# Allegro board 6089-119-RevB_08.brd (continued)
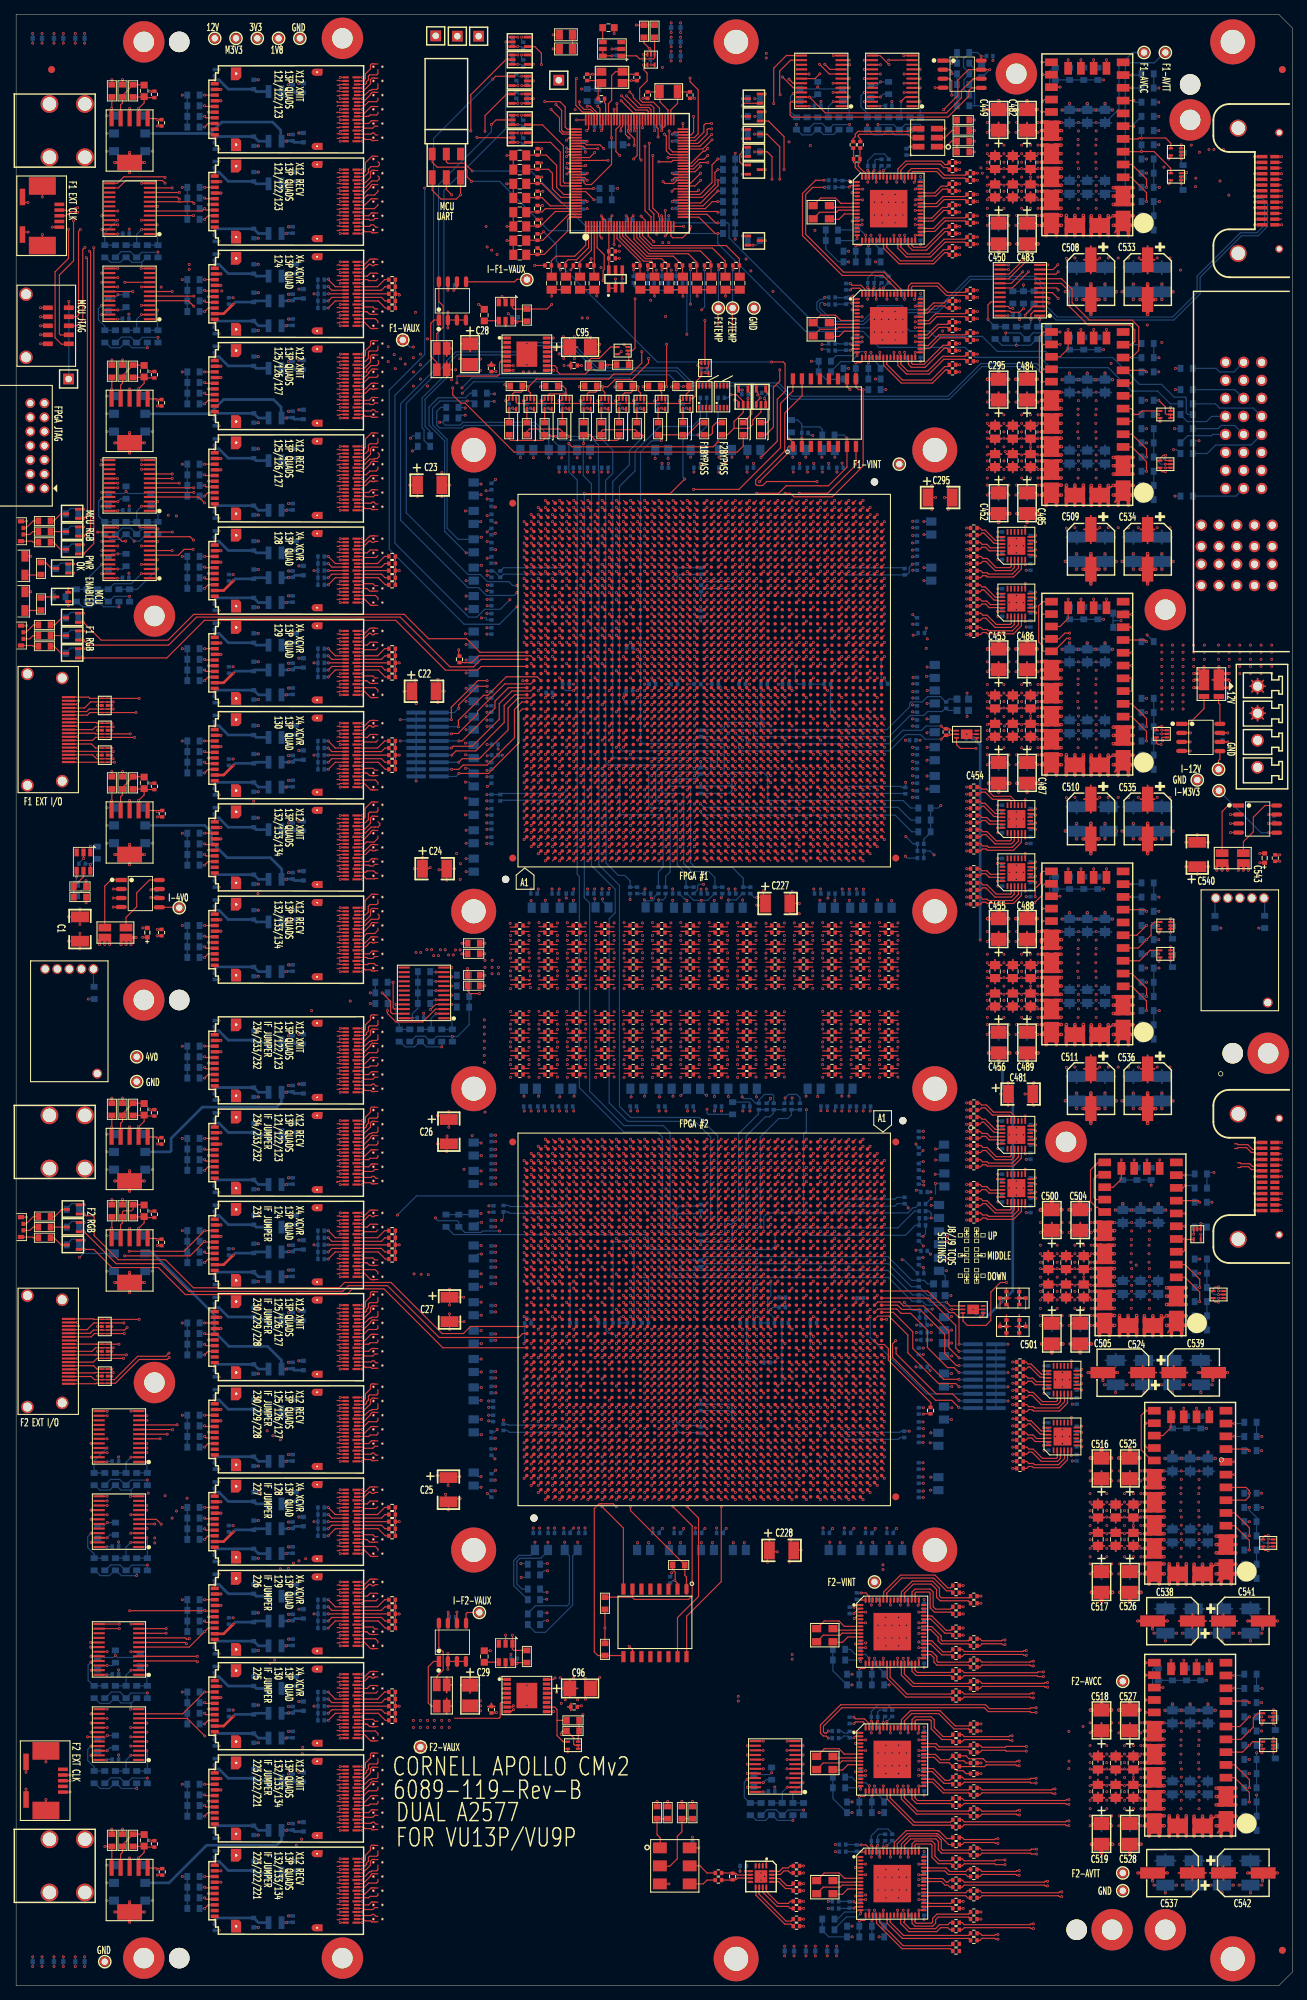
[diagram p0: board, top side]
## Routing (per net, layer and track width the routed paths; a pad name or vN(x,y) marks a point on that pad's centre or on a via; arc(x,y) is an arc through that point) (continued)
; U75.AA12 v1(91.61,169.51) ; U77.AB2 v1(101.39,118.29) ; U75.R38 v1(85.61,196.29) ; U75.AN20 v1(104.39,177.51) ; U77.AL36 v1(91.61,83.51) ; U77.BF42 v1(76.61,77.51) ; U75.K42 v1(80.61,200.29) ; U77.AC32 v1(100.39,87.51) ; U75.D5 v1(74.61,162.51) ; U75.AJ34 v1(100.39,192.29) ; U77.C35 v1(120.39,84.51) ; U75.H25 v1(78.61,182.51) ; U75.Y35 v1(90.61,193.29) ; U33.B4 v1(45.69,150.4) ; U75.AY46 v1(111.39,204.29) ; U77.N48 v1(110.39,71.51) ; U77.P47 v1(109.39,72.51) ; U75.BK31 v1(121.39,189.29) ; U75.AG16 v1(98.39,173.51) ; U37.A19 v1(48.81,86.9) ; U77.D20 v1(119.39,100.29) ; U77.AD37 v1(99.39,82.51) ; U77.AC26 v1(100.39,94.29) ; U77.B32 v1(121.39,87.51) ; U77.L8 v1(112.39,112.29) ; U77.D32 v1(119.39,87.51) ; U77.C21 v1(120.39,99.29) ; U75.BJ35 v1(120.39,193.29) ; U28.B10 v1(45.69,212.4) ; U75.R12 v1(85.61,169.51) ; U75.R34 v1(85.61,192.29) ; U77.AF39 v1(97.39,80.51) ; U24.B4 v1(45.69,267.4) ; U75.BG7 v1(118.39,164.51) ; U75.P7 v1(84.61,164.51) ; U77.AC4 v1(100.39,116.29) ; U75.A45 v1(71.61,203.29) ; U77.A35 v1(122.39,84.51) ; U77.BA49 v1(81.61,70.51) ; U75.U18 v1(87.61,175.51) ; U75.BD11 v1(115.39,168.51) ; U77.AH31 v1(94.61,88.51) ; U77.AE43 v1(98.39,76.51) ; U77.BJ31 v1(73.61,88.51) ; U75.BF6 v1(117.39,163.51) ; U75.BD41 v1(115.39,199.29) ; U75.E36 v1(75.61,194.29) ; U77.AD47 v1(99.39,72.51) ; U75.C7 v1(73.61,164.51) ; C135.2 C137.2 v1(90,238.08) ; U77.B46 v1(121.39,73.51) ; U75.BK3 v1(121.39,160.51) ; U75.AM11 v1(103.39,168.51) ; U77.AD50 v1(99.39,69.51) ; U75.AL14 v1(102.39,171.51) ; U38.B13 v1(45.69,76.9) ; U75.AF40 v1(97.39,198.29) ; U75.L5 v1(81.61,162.51) ; U75.BE35 v1(116.39,193.29) ; U77.BJ21 v1(73.61,99.29) ; U77.BD38 v1(78.61,81.51) ; U77.AP42 v1(88.61,77.51) ; U77.B6 v1(121.39,114.29) ; U75.AD15 v1(94.61,172.51) ; U75.AF23 v1(97.39,180.51) ; U75.AV15 v1(109.39,172.51) ; U77.BG7 v1(75.61,113.29) ; U75.BH25 v1(119.39,182.51) ; U75.BA47 v1(112.39,205.29) ; U77.BH46 v1(74.61,73.51) ; U77.AH11 v1(94.61,109.29) ; U77.AM25 v1(90.61,95.29) ; U75.A18 v1(71.61,175.51) ; U75.AN36 v1(104.39,194.29) ; U75.AM35 v1(103.39,193.29) ; U77.R14 v1(108.39,106.29) ; U33.A4 v1(48.81,150.4) ; U75.A36 v1(71.61,194.29) ; U75.BE40 v1(116.39,198.29) ; U75.AE28 v1(95.61,186.29) ; U77.AP2 v1(88.61,118.29) ; U77.W14 v1(104.39,106.29) ; U75.AF27 v1(97.39,185.29) ; U77.BH1 v1(74.61,119.29) ; U75.AN18 v1(104.39,175.51) ; U75.BH31 v1(119.39,189.29) ; U77.AM50 v1(90.61,69.51) ; U75.F2 v1(76.61,159.51) ; U75.AB25 v1(92.61,182.51) ; U77.Y41 v1(103.39,78.51) ; U77.AN26 v1(89.61,94.29) ; U40.B1 v1(45.69,56.9) ; U75.V5 v1(88.61,162.51) ; U80.3 v1(103.16,223.65) ; U75.AR28 v1(106.39,186.29) ; U75.BF50 v1(117.39,208.29) ; U75.AE48 v1(95.61,206.29) ; U77.T41 v1(107.39,78.51) ; U77.N49 v1(110.39,70.51) ; U39.B7 v1(45.69,66.9) ; U77.BH50 v1(74.61,69.51) ; U75.BB51 v1(113.39,209.29) ; U29.A1 v1(48.81,203.9) ; U77.AH40 v1(94.61,79.51) ; U28.A1 v1(48.81,216.9) ; U20.3 v1(16,121.01) ; U77.R5 v1(108.39,115.29) ; U75.BJ9 v1(120.39,166.51) ; U77.C49 v1(120.39,70.51) ; U77.D37 v1(119.39,82.51) ; U75.E4 v1(75.61,161.51) ; U77.BC38 v1(79.61,81.51) ; U34.B19 v1(45.69,125.9) ; U75.AU18 v1(108.39,175.51) ; U75.BG40 v1(118.39,198.29) ; U77.AN4 v1(89.61,116.29) ; U77.AP50 v1(88.61,69.51) ; U120.2 v1(165.55,176.53) ; U75.BG18 v1(118.39,175.51) ; U75.K51 v1(80.61,209.29) ; U75.AK50 v1(101.39,208.29) ; U77.BF7 v1(76.61,113.29) ; U75.AH17 v1(99.39,174.51) ; U75.AY41 v1(111.39,199.29) ; U77.AJ36 v1(93.61,83.51) ; J4.7 v1(3.44,232.63) ; Q15.2 v1(102.4,257.75) ; U77.BL7 v1(71.61,113.29) ; U77.J4 v1(114.39,116.29) ; U75.T41 v1(86.61,199.29) ; U77.AU24 v1(85.61,96.29) ; U77.BF10 v1(76.61,110.29) ; U77.BG18 v1(75.61,102.29) ; U77.J40 v1(114.39,79.51) ; v1(66.84,47.21) C31.2 ; U75.AF31 v1(97.39,189.29) ; U77.AA20 v1(102.39,100.29) ; U77.Y2 v1(103.39,118.29) ; U75.AK29 v1(101.39,187.29) ; U77.AP21 v1(88.61,99.29) ; U75.BJ2 v1(120.39,159.51) ; U75.AK45 v1(101.39,203.29) ; U77.H21 v1(115.39,99.29) ; U75.AC26 v1(93.61,184.29) ; U75.E43 v1(75.61,201.29) ; U75.AR3 v1(106.39,160.51) ; U77.AK51 v1(92.61,68.51) ; U25.B16 v1(45.69,248.4) ; R67.1 R66.1 R65.1 ; U75.AL44 v1(102.39,202.29) ; U77.C8 v1(120.39,112.29) ; U77.U38 v1(106.39,81.51) ; U75.H18 v1(78.61,175.51) ; U33.B1 v1(45.69,151.9) ; U75.BK33 v1(121.39,191.29) ; U77.BD27 v1(78.61,92.51) ; U75.AD25 v1(94.61,182.51) ; U75.W49 v1(89.61,207.29) ; U77.AJ48 v1(93.61,71.51) ; C19.2 v1(19.9,104.3) ; U75.A21 v1(71.61,178.51) ; U75.BH47 v1(119.39,205.29) ; U77.D51 v1(119.39,68.51) ; U120.4 v1(165.5,174) ; U75.AH39 v1(99.39,197.29) ; U77.AD29 v1(99.39,90.51) ; U75.L26 v1(81.61,184.29) ; U75.K50 v1(80.61,208.29) ; U78.1 97.6,228.12 97.43,227.95 96.45,227.95 v1(96.1,228.3) 96.1,228.52 96.27,228.69 U78.3 ; U77.AR49 v1(87.61,70.51) ; U75.AH37 v1(99.39,195.29) ; U75.AL4 v1(102.39,161.51) ; U77.BJ35 v1(73.61,84.51) ; U77.F45 v1(117.39,74.51) ; U75.AB50 v1(92.61,208.29) ; U77.P37 v1(109.39,82.51) ; U77.BG17 v1(75.61,103.29) ; C13.2 v1(18.89,109.15) ; U77.AJ49 v1(93.61,70.51) ; U75.Y15 v1(90.61,172.51) ; U77.J14 v1(114.39,106.29) ; U77.BB7 v1(80.61,113.29) ; U75.Y19 v1(90.61,176.51) ; U75.AM46 v1(103.39,204.29) ; U77.AJ34 v1(93.61,85.51) ; U77.AT6 v1(86.61,114.29) ; U75.D2 v1(74.61,159.51) ; U75.R44 v1(85.61,202.29) ; U77.AJ39 v1(93.61,80.51) ; U77.AG28 v1(95.61,91.51) ; U35.B4 v1(45.69,120.4) ; U75.H11 v1(78.61,168.51) ; U75.AY11 v1(111.39,168.51) ; U77.BG8 v1(75.61,112.29) ; U35.B13 v1(45.69,115.9) ; U77.AG24 v1(95.61,96.29) ; U35.A10 v1(48.81,117.4) ; P2.26 v1(174.58,248.12) ; R144.1 v1(135.07,258.4) ; U33.B13 v1(45.69,145.9) ; U75.BK38 v1(121.39,196.29) ; U30.B4 v1(45.69,189.4) ; U77.AB25 v1(101.39,95.29) ; U77.AH21 v1(94.61,99.29) ; U77.AN22 v1(89.61,98.29) ; U75.AP35 v1(105.39,193.29) ; U75.AW12 v1(110.39,169.51) ; U77.AD6 v1(99.39,114.29) ; U75.AE12 v1(95.61,169.51) ; R142.1 v1(135.07,261.4) ; U77.BD6 v1(78.61,114.29) ; U77.BD46 v1(78.61,73.51) ; U77.AG48 v1(95.61,71.51) ; U75.AR30 v1(106.39,188.29) ; U77.AU43 v1(85.61,76.51) ; U75.AH6 v1(99.39,163.51) ; C156.2 v1(95.64,265.95) ; U77.BE48 v1(77.61,71.51) ; U75.AM6 v1(103.39,163.51) ; U77.AV7 v1(84.61,113.29) ; U77.AT21 v1(86.61,99.29) ; U75.H2 v1(78.61,159.51) ; U77.K2 v1(113.39,118.29) ; U75.AJ43 v1(100.39,201.29) ; Q7.2 v1(9.5,190.9) ; P3.8 v1(174.58,116.42) ; U75.AN38 v1(104.39,196.29) ; U29.B16 v1(45.69,196.4) ; U77.AG5 v1(95.61,115.29) ; U77.AB1 v1(101.39,119.29) ; U77.V51 v1(105.39,68.51) ; U75.BL17 v1(122.39,174.51) ; U75.U5 v1(87.61,162.51) ; U77.K50 v1(113.39,69.51) ; U77.BL45 v1(71.61,74.51) ; R16.1 v1(13.5,171.07) ; U32.B7 v1(45.69,161.9) ; U26.B13 v1(45.69,236.9) ; U36.B1 v1(45.69,108.9) ; U75.AD40 v1(94.61,198.29) ; U77.AE36 v1(98.39,83.51) ; U77.H5 v1(115.39,115.29) ; U75.BG34 v1(118.39,192.29) ; U37.B4 v1(45.69,94.4) ; U77.AN28 v1(89.61,91.51) ; U75.BG12 v1(118.39,169.51) ; U77.AR47 v1(87.61,72.51) ; U77.AK1 v1(92.61,119.29) ; U77.AM46 v1(90.61,73.51) ; U77.AE16 v1(98.39,104.29) ; U77.H15 v1(115.39,105.29) ; P2.8 v1(174.58,255.32) ; U75.AH31 v1(99.39,189.29) ; U75.AE24 v1(95.61,181.51) ; U77.AY47 v1(82.61,72.51) ; U29.A16 v1(48.81,196.4) ; U75.AP25 v1(105.39,182.51) ; U77.AP1 v1(88.61,119.29) ; U77.AW44 v1(83.61,75.51) ; U77.BH36 v1(74.61,83.51) ; U77.AT5 v1(86.61,115.29) ; U75.AH27 v1(99.39,185.29) ; U77.R24 v1(108.39,96.29) ; U75.BH33 v1(119.39,191.29) ; U75.Y2 v1(90.61,159.51) ; U36.B16 v1(45.69,101.4) ; U75.G28 v1(77.61,186.29) ; U75.AF35 v1(97.39,193.29) ; U75.AH2 v1(99.39,159.51) ; U39.B16 v1(45.69,62.4) ; U26.B16 v1(45.69,235.4) ; U28.A7 v1(48.81,213.9) ; U77.AF21 v1(97.39,99.29) ; U77.AU49 v1(85.61,70.51) ; U53.3 v1(71.28,266.56) ; U16.3 v1(16,225.01) ; U24.A1 v1(48.81,268.9) ; U77.Y21 v1(103.39,99.29) ; U38.B10 v1(45.69,78.4) ; U77.AH25 v1(94.61,95.29) ; U75.AA47 v1(91.61,205.29) ; U75.AG22 v1(98.39,179.51) ; U77.AN5 v1(89.61,115.29) ; U77.AC28 v1(100.39,91.51) ; U40.A4 v1(48.81,55.4) ; U75.AB21 v1(92.61,178.51) ; U77.K47 v1(113.39,72.51) ; U25.B1 v1(45.69,255.9) ; U77.Y11 v1(103.39,109.29) ; U75.AN12 v1(104.39,169.51) ; U75.BK46 v1(121.39,204.29) ; U77.AN9 v1(89.61,111.29) ; U77.AM19 v1(90.61,101.29) ; U77.BK21 v1(72.61,99.29) ; U75.AE49 v1(95.61,207.29) ; U75.C31 v1(73.61,189.29) ; U77.AC24 v1(100.39,96.29) ; U75.BE33 v1(116.39,191.29) ; U75.AV38 v1(109.39,196.29) ; U75.BG16 v1(118.39,173.51) ; U75.BG45 v1(118.39,203.29) ; U77.B10 v1(121.39,110.29) ; U75.BJ31 v1(120.39,189.29) ; U75.A31 v1(71.61,189.29) ; U77.AB38 v1(101.39,81.51) ; J2.7 v1(3.7,246.75) ; U77.BH5 v1(74.61,115.29) ; U77.AP17 v1(88.61,103.29) ; U25.A7 v1(48.81,252.9) ; U115.3 v1(164.24,259.38) ; v1(70.1,39.45) 69.92,39.27 U57.7 ; U77.AV2 v1(84.61,118.29) ; U77.P50 v1(109.39,69.51) ; U75.AJ9 v1(100.39,166.51) ; Q13.2 v1(105.6,264.05) ; U77.AE18 v1(98.39,102.29) ; J6.17 v1(8.82,92.96) ; U75.AL38 v1(102.39,196.29) ; U77.AA16 v1(102.39,104.29) ; U77.Y5 v1(103.39,115.29) ; U75.AP38 v1(105.39,196.29) ; U75.BG21 v1(118.39,178.51) ; U75.AW38 v1(110.39,196.29) ; U77.AM35 v1(90.61,84.51) ; U77.AW40 v1(83.61,79.51) ; U75.AP10 v1(105.39,167.51) ; U77.BA14 v1(81.61,106.29) ; U75.A7 v1(71.61,164.51) ; Q1.2 v1(8.1,200.35) ; U77.BH33 v1(74.61,86.51) ; U75.AH35 v1(99.39,193.29) ; U26.A1 v1(48.81,242.9) ; U75.AB1 v1(92.61,158.51) ; U77.AN36 v1(89.61,83.51) ; U7.8 v1(13.5,89.4) ; U77.J47 v1(114.39,72.51) ; R17.1 v1(13.5,125.07) ; U75.AK23 v1(101.39,180.51) ; U77.BF50 v1(76.61,69.51) ; U77.BK10 v1(72.61,110.29) ; U75.BF19 v1(117.39,176.51) ; U77.AH35 v1(94.61,84.51) ; U125.3 v1(177.24,38.88) ; U77.AA30 v1(102.39,89.51) ; U39.A7 v1(48.81,66.9) ; U75.AR22 v1(106.39,179.51) ; U41.B4 v1(45.69,42.4) ; U75.BB50 v1(113.39,208.29) ; 152.65,199.6 v1(152.65,199.59) ; U29.A13 v1(48.81,197.9) ; U75.BF42 v1(117.39,200.29) ; U23.4 v1(13.69,152) ; U75.AD39 v1(94.61,197.29) ; U75.AV10 v1(109.39,167.51) ; U77.BJ3 v1(73.61,117.29) ; U75.T6 v1(86.61,163.51) ; U41.B16 v1(45.69,36.4) ; U75.AN26 v1(104.39,184.29) ; U37.B7 v1(45.69,92.9) ; U77.AV45 v1(84.61,74.51) ; R65.1 v1(54.01,52.4) ; U28.B19 v1(45.69,207.9) ; U37.A7 v1(48.81,92.9) ; 81.5,230.9 81.5,231.13 81.67,231.3 v1(82.25,231.3) ; 81.5,230.9 81.5,230.42 81.67,230.25 v1(82.25,230.25) ; 81.5,230.9 C95.2 v1(80.96,232.29) ; U77.AT46 v1(86.61,73.51) ; U75.AL12 v1(102.39,169.51) ; v1(68.25,43.4) 68.47,43.17 U57.1 ; U39.A16 v1(48.81,62.4) ; U75.BF16 v1(117.39,173.51) ; U75.BL31 v1(122.39,189.29) ; U77.AL8 v1(91.61,112.29) ; U77.AD5 v1(99.39,115.29) ; U77.U3 v1(106.39,117.29) ; U77.U14 v1(106.39,106.29) ; U75.AN32 v1(104.39,190.29) ; U75.AE3 v1(95.61,160.51) ; U77.AG34 v1(95.61,85.51) ; U77.AK17 v1(92.61,103.29) ; U77.BC12 v1(79.61,108.29) ; U75.BL7 v1(122.39,164.51) ; U75.J47 v1(79.61,205.29) ; U75.AK10 v1(101.39,167.51) ; U75.C3 v1(73.61,160.51) ; U75.AT11 v1(107.39,168.51) ; U77.BJ2 v1(73.61,118.29) ; U75.AG3 v1(98.39,160.51) ; U77.E35 v1(118.39,84.51) ; U34.B13 v1(45.69,128.9) ; U25.B13 v1(45.69,249.9) ; U75.Y38 v1(90.61,196.29) ; U77.AM51 v1(90.61,68.51) ; U75.E9 v1(75.61,166.51) ; U75.BA43 v1(112.39,201.29) ; U77.V10 v1(105.39,110.29) ; U77.Y15 v1(103.39,105.29) ; U43.A4 v1(48.81,16.4) ; U77.BE43 v1(77.61,76.51) ; U77.U18 v1(106.39,102.29) ; U75.N9 v1(83.61,166.51) ; U36.B7 v1(45.69,105.9) ; U77.BA9 v1(81.61,111.29) ; U77.BB42 v1(80.61,77.51) ; U75.AF10 v1(97.39,167.51) ; U75.AR12 v1(106.39,169.51) ; U77.AT47 v1(86.61,72.51) ; U75.AG30 v1(98.39,188.29) ; U77.AG12 v1(95.61,108.29) ; U75.AF50 v1(97.39,208.29) ; U75.AH21 v1(99.39,178.51) ; U75.AP50 v1(105.39,208.29) ; U75.BB2 v1(113.39,159.51) ; X1.4 85.85,268.45 v1(86.75,268.45) C134.2 ; U77.AB27 v1(101.39,92.51) ; U75.V10 v1(88.61,167.51) ; U77.B23 v1(121.39,97.29) ; U77.BE40 v1(77.61,79.51) ; U10.12 v1(16.12,68.97) ; 116.3,271.98 v1(115.2,271.98) ; R23.2 v1(15,171.07) ; U75.AD17 v1(94.61,174.51) ; U77.D33 v1(119.39,86.51) ; C11.2 v1(18.89,169.45) ; U75.W30 v1(89.61,188.29) ; U77.AY51 v1(82.61,68.51) ; U77.BK48 v1(72.61,71.51) ; U75.W20 v1(89.61,177.51) ; U77.E17 v1(118.39,103.29) ; U75.AJ5 v1(100.39,162.51) ; U77.AN20 v1(89.61,100.29) ; P3.1 v1(178.38,118.83) ; U75.V27 v1(88.61,185.29) ; U23.2 v1(13.69,154.53) ; U77.BL16 v1(71.61,104.29) ; U75.BG44 v1(118.39,202.29) ; U75.AJ32 v1(100.39,190.29) ; U77.AC18 v1(100.39,102.29) ; U42.A7 v1(48.81,27.9) ; U54.3 v1(70.72,262.24) ; U77.C3 v1(120.39,117.29) ; J3.7 v1(4.2,26.25) ; U75.AA49 v1(91.61,207.29) ; U77.AY6 v1(82.61,114.29) ; U75.BE14 v1(116.39,171.51) ; U75.AA34 v1(91.61,192.29) ; U75.Y33 v1(90.61,191.29) ; U77.P27 v1(109.39,92.51) ; U75.F21 v1(76.61,178.51) ; U75.AF19 v1(97.39,176.51) ; U75.AU28 v1(108.39,186.29) ; U77.AB5 v1(101.39,115.29) ; R22.2 v1(15,229.07) ; U38.A19 v1(48.81,73.9) ; U77.BF46 v1(76.61,73.51) ; U75.C35 v1(73.61,193.29) ; U75.AR5 v1(106.39,162.51) ; C117.2 v1(85.03,243.4) ; U77.AB23 v1(101.39,97.29) ; U77.D47 v1(119.39,72.51) ; U75.A43 v1(71.61,201.29) ; U75.BK19 v1(121.39,176.51) ; U75.U14 v1(87.61,171.51) ; U77.Y29 v1(103.39,90.51) ; U42.B19 v1(45.69,21.9) ; U75.A17 v1(71.61,174.51) ; U75.AF12 v1(97.39,169.51) ; U77.AA36 v1(102.39,83.51) ; U75.AK47 v1(101.39,205.29) ; U75.M11 v1(82.61,168.51) ; U30.B16 v1(45.69,183.4) ; U75.BD27 v1(115.39,185.29) ; U77.Y23 v1(103.39,97.29) ; U77.B7 v1(121.39,113.29) ; U28.B1 v1(45.69,216.9) ; U75.BB38 v1(113.39,196.29) ; U77.BA48 v1(81.61,71.51) ; U77.AC30 v1(100.39,89.51) ; U32.B19 v1(45.69,155.9) ; U77.BC49 v1(79.61,70.51) ; U77.AT41 v1(86.61,78.51) ; U77.AF12 v1(97.39,108.29) ; U75.AA43 v1(91.61,201.29) ; U34.A7 v1(48.81,131.9) ; U41.A7 v1(48.81,40.9) ; U75.AT46 v1(107.39,204.29) ; U77.G28 v1(116.39,91.51) ; U77.AR4 v1(87.61,116.29) ; U77.AH2 v1(94.61,118.29) ; U75.AJ30 v1(100.39,188.29) ; U77.H6 v1(115.39,114.29) ; U77.L38 v1(112.39,81.51) ; U77.BJ36 v1(73.61,83.51) ; U37.A16 v1(48.81,88.4) ; U77.G44 v1(116.39,75.51) ; U75.AL36 v1(102.39,194.29) ; U77.T21 v1(107.39,99.29) ; U75.AU24 v1(108.39,181.51) ; U77.G34 v1(116.39,85.51) ; U77.AN14 v1(89.61,106.29) ; U43.A16 v1(48.81,10.4) ; U75.Y37 v1(90.61,195.29) ; U75.AG26 v1(98.39,184.29) ; U77.H32 v1(115.39,87.51) ; U77.AC8 v1(100.39,112.29) ; U77.D46 v1(119.39,73.51) ; U77.F14 v1(117.39,106.29) ; U77.BB10 v1(80.61,110.29) ; U77.K42 v1(113.39,77.51) ; U32.B10 v1(45.69,160.4) ; U77.AT1 v1(86.61,119.29) ; U75.BE9 v1(116.39,166.51) ; U75.BJ21 v1(120.39,178.51) ; U77.E12 v1(118.39,108.29) ; U75.AA22 v1(91.61,179.51) ; U77.AP7 v1(88.61,113.29) ; U38.B1 v1(45.69,82.9) ; U77.BA16 v1(81.61,104.29) ; U77.AF2 v1(97.39,118.29) ; U77.V50 v1(105.39,69.51) ; 14.81,153.26 v1(13.69,153.26) ; U77.H35 v1(115.39,84.51) ; U77.G4 v1(116.39,116.29) ; U36.A16 v1(48.81,101.4) ; U75.K29 v1(80.61,187.29) ; J4.5 v1(3.44,233.9) ; U77.C45 v1(120.39,74.51) ; U77.BC40 v1(79.61,79.51) ; U75.B20 v1(72.61,177.51) ; U77.AL12 v1(91.61,108.29) ; U75.AP1 v1(105.39,158.51) ; U77.H25 v1(115.39,95.29) ; U29.B13 v1(45.69,197.9) ; U75.AT23 v1(107.39,180.51) ; U77.AC36 v1(100.39,83.51) ; R111.1 v1(91.85,25.97) ; U75.AW44 v1(110.39,202.29) ; U75.BE48 v1(116.39,206.29) ; U35.B7 v1(45.69,118.9) ; U77.H14 v1(115.39,106.29) ; U77.G48 v1(116.39,71.51) ; U75.C12 v1(73.61,169.51) ; U77.AA28 v1(102.39,91.51) ; U75.AB37 v1(92.61,195.29) ; U75.L38 v1(81.61,196.29) ; U75.BE3 v1(116.39,160.51) ; U77.AK29 v1(92.61,90.51) ; U75.AC28 v1(93.61,186.29) ; U38.A1 v1(48.81,82.9) ; U77.BC8 v1(79.61,112.29) ; U75.B21 v1(72.61,178.51) ; U31.B16 v1(45.69,170.4) ; U68.80 86.7,261.6 86.65,261.55 86.65,261.35 v1(86.62,261.35) ; U39.B19 v1(45.69,60.9) ; U77.AH46 v1(94.61,73.51) ; U77.AJ38 v1(93.61,81.51) ; U77.AR5 v1(87.61,115.29) ; U75.AD31 v1(94.61,189.29) ; U75.P47 v1(84.61,205.29) ; C20.2 v1(19.9,164.7) ; U75.AP29 v1(105.39,187.29) ; U77.AW5 v1(83.61,115.29) ; C18.2 v1(19.9,118.6) ; U75.N43 v1(83.61,201.29) ; U77.BA3 v1(81.61,117.29) ; U75.H21 v1(78.61,178.51) ; U75.AU4 v1(108.39,161.51) ; U75.V1 v1(88.61,158.51) ; U77.Y46 v1(103.39,73.51) ; U77.BK5 v1(72.61,115.29) ; U75.AA38 v1(91.61,196.29) ; U75.AT29 v1(107.39,187.29) ; U77.N4 v1(110.39,116.29) ; U77.Y38 v1(103.39,81.51) ; U77.C34 v1(120.39,85.51) ; U75.M47 v1(82.61,205.29) ; U77.B48 v1(121.39,71.51) ; U77.N47 v1(110.39,72.51) ; U75.BK45 v1(121.39,203.29) ; U75.BE16 v1(116.39,173.51) ; U102.12 v1(145.43,242.47) ; U75.Y29 v1(90.61,187.29) ; 172.31,163.76 v1(171.19,163.76) ; U37.B16 v1(45.69,88.4) ; U77.AJ43 v1(93.61,76.51) ; U75.H14 v1(78.61,171.51) ; U37.A13 v1(48.81,89.9) ; U77.AG16 v1(95.61,104.29) ; U77.BK14 v1(72.61,106.29) ; U77.BF19 v1(76.61,101.29) ; U77.AH6 v1(94.61,114.29) ; U123.4 v1(171.19,162.5) ; U75.AC47 v1(93.61,205.29) ; U75.AP37 v1(105.39,195.29) ; U77.AH15 v1(94.61,105.29) ; U75.BH2 v1(119.39,159.51) ; U41.A19 v1(48.81,34.9) ; U77.AY11 v1(82.61,109.29) ; U77.E24 v1(118.39,96.29) ; U77.BD51 v1(78.61,68.51) ; U75.BB33 v1(113.39,191.29) ; U75.AD29 v1(94.61,187.29) ; U75.AW3 v1(110.39,160.51) ; U42.B10 v1(45.69,26.4) ; U77.BF36 v1(76.61,83.51) ; U75.AC44 v1(93.61,202.29) ; U75.AM21 v1(103.39,178.51) ; U77.AL16 v1(91.61,104.29) ; U77.F1 v1(117.39,119.29) ; U75.AK7 v1(101.39,164.51) ; U77.AU5 v1(85.61,115.29) ; U75.BL36 v1(122.39,194.29) ; U75.R5 v1(85.61,162.51) ; U75.BL4 v1(122.39,161.51) ; U77.AT51 v1(86.61,68.51) ; U75.BF45 v1(117.39,203.29) ; U77.BJ9 v1(73.61,111.29) ; U75.E49 v1(75.61,207.29) ; U77.AN49 v1(89.61,70.51) ; U75.AP17 v1(105.39,174.51) ; U77.AR8 v1(87.61,112.29) ; U77.AR22 v1(87.61,98.29) ; U75.B49 v1(72.61,207.29) ; U77.AL28 v1(91.61,91.51) ; U35.B16 v1(45.69,114.4) ; U75.J48 v1(79.61,206.29) ; U75.V31 v1(88.61,189.29) ; U75.BH50 v1(119.39,208.29) ; U30.B13 v1(45.69,184.9) ; U27.B16 v1(45.69,222.4) ; U75.F42 v1(76.61,200.29) ; U77.BJ34 v1(73.61,85.51) ; Q12.2 v1(105.6,266.55) ; U75.BK29 v1(121.39,187.29) ; U75.AK27 v1(101.39,185.29) ; U17.12 v1(17.7,214.97) ; U75.AK5 v1(101.39,162.51) ; U43.A19 v1(48.81,8.9) ; v1(165,255.5) 165,255.4 U116.3 ; U75.BB42 v1(113.39,200.29) ; U77.D19 v1(119.39,101.29) ; U25.B7 v1(45.69,252.9) ; U77.BL21 v1(71.61,99.29) ; U37.B10 v1(45.69,91.4) ; U77.U49 v1(106.39,70.51) ; U28.B16 v1(45.69,209.4) ; U75.D6 v1(74.61,163.51) ; U75.AB7 v1(92.61,164.51) ; U75.E7 v1(75.61,164.51) ; U75.B36 v1(72.61,194.29) ; U77.BF31 v1(76.61,88.51) ; U75.AK17 v1(101.39,174.51) ; U77.U13 v1(106.39,107.29) ; U77.U48 v1(106.39,71.51) ; U75.M51 v1(82.61,209.29) ; U75.C40 v1(73.61,198.29) ; U77.AF15 v1(97.39,105.29) ; U77.BB38 v1(80.61,81.51) ; U77.T51 v1(107.39,68.51) ; U77.AK50 v1(92.61,69.51) ; U77.AG8 v1(95.61,112.29) ; J3.6 v1(4.2,31.55) ; U75.K47 v1(80.61,205.29) ; U77.AC22 v1(100.39,98.29) ; U56.9 75.75,227.62 75.75,227.63 v1(75.76,227.63) ; U77.A21 v1(122.39,99.29) ; U75.AN14 v1(104.39,171.51) ; U77.BH19 v1(74.61,101.29) ; U75.M23 v1(82.61,180.51) ; U75.D45 v1(74.61,203.29) ; U77.AG40 v1(95.61,79.51) ; U75.BE15 v1(116.39,172.51) ; U75.D33 v1(74.61,191.29) ; U75.E39 v1(75.61,197.29) ; U75.E48 v1(75.61,206.29) ; U75.W38 v1(89.61,196.29) ; U75.T46 v1(86.61,204.29) ; U77.D50 v1(119.39,69.51) ; U75.L4 v1(81.61,161.51) ; U75.BC40 v1(114.39,198.29) ; U43.B19 v1(45.69,8.9) ; U75.BH15 v1(119.39,172.51) ; U75.B47 v1(72.61,205.29) ; C14.2 v1(18.89,20.45) ; U75.AM27 v1(103.39,185.29) ; U75.U4 v1(87.61,161.51) ; U77.BF20 v1(76.61,100.29) ; U75.B32 v1(72.61,190.29) ; U75.AJ48 v1(100.39,206.29) ; U30.A13 v1(48.81,184.9) ; U75.P10 v1(84.61,167.51) ; U77.F50 v1(117.39,69.51) ; U77.BE9 v1(77.61,111.29) ; U75.AP5 v1(105.39,162.51) ; U75.E16 v1(75.61,173.51) ; U75.AP45 v1(105.39,203.29) ; U77.B3 v1(121.39,117.29) ; U77.AJ14 v1(93.61,106.29) ; U77.B21 v1(121.39,99.29) ; U77.BL34 v1(71.61,85.51) ; U75.J4 v1(79.61,161.51) ; R109.1 v1(95.35,25.97) ; U77.K10 v1(113.39,110.29) ; v1(84.5,240.5) U65.2 U65.1 ; U75.W14 v1(89.61,171.51) ; U31.B1 v1(45.69,177.9) ; U77.BJ45 v1(73.61,74.51) ; U77.BL40 v1(71.61,79.51) ; U75.AC18 v1(93.61,175.51) ; U77.M47 v1(111.39,72.51) ; U77.AK42 v1(92.61,77.51) ; U77.E21 v1(118.39,99.29) ; U77.AV50 v1(84.61,69.51) ; U75.AN5 v1(104.39,162.51) ; U77.AL30 v1(91.61,89.51) ; R77.2 v1(62.85,145.4) ; U31.A4 v1(48.81,176.4) ; U77.BF47 v1(76.61,72.51) ; U77.H31 v1(115.39,88.51) ; U75.G12 v1(77.61,169.51) ; U77.B49 v1(121.39,70.51) ; U75.AU39 v1(108.39,197.29) ; U75.AM15 v1(103.39,172.51) ; U77.P1 v1(109.39,119.29) ; U31.B4 v1(45.69,176.4) ; U75.G8 v1(77.61,165.51) ; U77.J49 v1(114.39,70.51) ; U75.D36 v1(74.61,194.29) ; U38.A7 v1(48.81,79.9) ; U75.T5 v1(86.61,162.51) ; U75.BF2 v1(117.39,159.51) ; U75.AA26 v1(91.61,184.29) ; U75.AM33 v1(103.39,191.29) ; J2.6 v1(3.7,252.05) ; U75.AT6 v1(107.39,163.51) ; U75.BG8 v1(118.39,165.51) ; U77.E43 v1(118.39,76.51) ; U77.N20 v1(110.39,100.29) ; U108.13 v1(153.7,157.38) ; U77.AK25 v1(92.61,95.29) ; U77.BB50 v1(80.61,69.51) ; U25.A16 v1(48.81,248.4) ; U75.H34 v1(78.61,192.29) ; U75.AG34 v1(98.39,192.29) ; U75.BK48 v1(121.39,206.29) ; U77.BH45 v1(74.61,74.51) ; U43.A7 v1(48.81,14.9) ; U75.AF5 v1(97.39,162.51) ; U75.AR49 v1(106.39,207.29) ; U77.Y25 v1(103.39,95.29) ; U77.H33 v1(115.39,86.51) ; v1(93.52,223.34) 93.83,223.34 94,223.51 U74.3 ; U77.AF45 v1(97.39,74.51) ; U75.L3 v1(81.61,160.51) ; U75.BA49 v1(112.39,207.29) ; U77.AK31 v1(92.61,88.51) ; U75.AY2 v1(111.39,159.51) ; U75.AM29 v1(103.39,187.29) ; U75.AF33 v1(97.39,191.29) ; U75.AD41 v1(94.61,199.29) ; U75.BC38 v1(114.39,196.29) ; U77.W36 v1(104.39,83.51) ; U77.AB42 v1(101.39,77.51) ; P2.19 v1(178.38,250.53) ; U77.BB1 v1(80.61,119.29) ; U75.AF39 v1(97.39,197.29) ; R21.2 v1(15,268.57) ; U77.BJ4 v1(73.61,116.29) ; U44.12 v1(61.4,143.47) ; U75.AL32 v1(102.39,190.29) ; U75.BL16 v1(122.39,173.51) ; U77.AR28 v1(87.61,91.51) ; U77.BL26 v1(71.61,94.29) ; U75.BG3 v1(118.39,160.51) ; U75.BK47 v1(121.39,205.29) ; U75.AB45 v1(92.61,203.29) ; U75.BA40 v1(112.39,198.29) ; U75.C21 v1(73.61,178.51) ; U75.N48 v1(83.61,206.29) ; U77.AE3 v1(98.39,117.29) ; J4.3 v1(3.44,235.17) ; U75.AN34 v1(104.39,192.29) ; U75.BD5 v1(115.39,162.51) ; U75.AC34 v1(93.61,192.29) ; U77.AD40 v1(99.39,79.51) ; U75.BF32 v1(117.39,190.29) ; U77.T11 v1(107.39,109.29) ; U77.BL48 v1(71.61,71.51) ; U33.A13 v1(48.81,145.9) ; U75.R47 v1(85.61,205.29) ; U37.A10 v1(48.81,91.4) ; U75.AJ38 v1(100.39,196.29) ; U75.U13 v1(87.61,170.51) ; U77.AF31 v1(97.39,88.51) ; U77.AH29 v1(94.61,90.51) ; U34.B7 v1(45.69,131.9) ; U34.B16 v1(45.69,127.4) ; U77.AE38 v1(98.39,81.51) ; U24.A13 v1(48.81,262.9) ; U43.B1 v1(45.69,17.9) ; U77.AF29 v1(97.39,90.51) ; U75.P42 v1(84.61,200.29) ; U37.A1 v1(48.81,95.9) ; U75.AY5 v1(111.39,162.51) ; U77.AL32 v1(91.61,87.51) ; U30.B19 v1(45.69,181.9) ; U75.AT47 v1(107.39,205.29) ; U77.J5 v1(114.39,115.29) ; U77.F42 v1(117.39,77.51) ; U77.AY1 v1(82.61,119.29) ; U75.V42 v1(88.61,200.29) ; U75.BK32 v1(121.39,190.29) ; U77.AK33 v1(92.61,86.51) ; U77.Y19 v1(103.39,101.29) ; U77.AD17 v1(99.39,103.29) ; U77.A9 v1(122.39,111.29) ; U94.5 v1(134,176.35) ; U75.AA18 v1(91.61,175.51) ; U77.AD23 v1(99.39,97.29) ; U112.3 162.15,214.9 162.12,214.93 162,214.93 162,215.11 v1(161.92,215.11) ; U77.AT2 v1(86.61,118.29) ; U77.B5 v1(121.39,115.29) ; U75.AA40 v1(91.61,198.29) ; U40.B7 v1(45.69,53.9) ; U77.AJ30 v1(93.61,89.51) ; J6.8 v1(8.66,88.38) ; U36.A1 v1(48.81,108.9) ; U75.BK21 v1(121.39,178.51) ; U77.M23 v1(111.39,97.29) ; U32.B4 v1(45.69,163.4) ; U77.BA43 v1(81.61,76.51) ; U75.D31 v1(74.61,189.29) ; U77.BK7 v1(72.61,113.29) ; U43.A1 v1(48.81,17.9) ; U24.B13 v1(45.69,262.9) ; U75.K2 v1(80.61,159.51) ; U75.G47 v1(77.61,205.29) ; U75.AM19 v1(103.39,176.51) ; U77.BJ16 v1(73.61,104.29) ; U75.AR4 v1(106.39,161.51) ; U77.AU26 v1(85.61,94.29) ; U77.AV35 v1(84.61,84.51) ; U77.AR14 v1(87.61,106.29) ; U39.A19 v1(48.81,60.9) ; U77.N3 v1(110.39,117.29) ; U75.T51 v1(86.61,209.29) ; U75.U43 v1(87.61,201.29) ; U75.BC12 v1(114.39,169.51) ; U75.H16 v1(78.61,173.51) ; U75.P45 v1(84.61,203.29) ; U75.AW8 v1(110.39,165.51) ; C8.2 v1(17.85,149.06) ; U77.E39 v1(118.39,80.51) ; U75.AK25 v1(101.39,182.51) ; U77.AB35 v1(101.39,84.51) ; U75.AM2 v1(103.39,159.51) ; U77.B45 v1(121.39,74.51) ; U25.B19 v1(45.69,246.9) ; U77.L4 v1(112.39,116.29) ; U75.BD1 v1(115.39,158.51) ; U75.P38 v1(84.61,196.29) ; U77.AJ9 v1(93.61,111.29) ; P3.14 v1(174.58,114.03) ; U26.A13 v1(48.81,236.9) ; U75.AB51 v1(92.61,209.29) ; U77.D11 v1(119.39,109.29) ; U32.A1 v1(48.81,164.9) ; U75.BJ34 v1(120.39,192.29) ; U24.A19 v1(48.81,259.9) ; U75.U47 v1(87.61,205.29) ; U77.R49 v1(108.39,70.51) ; U77.H17 v1(115.39,103.29) ; U77.AW3 v1(83.61,117.29) ; U38.A16 v1(48.81,75.4) ; U75.AR24 v1(106.39,181.51) ; U39.A4 v1(48.81,68.4) ; U75.B6 v1(72.61,163.51) ; U77.BK4 v1(72.61,116.29) ; U77.AE49 v1(98.39,70.51) ; U75.AE32 v1(95.61,190.29) ; U77.C17 v1(120.39,103.29) ; U75.AL22 v1(102.39,179.51) ; U77.R48 v1(108.39,71.51) ; U75.AB31 v1(92.61,189.29) ; U77.AW47 v1(83.61,72.51) ; U77.AM21 v1(90.61,99.29) ; U77.AL20 v1(91.61,100.29) ; U77.BE36 v1(77.61,83.51) ; U75.L36 v1(81.61,194.29) ; U75.D16 v1(74.61,173.51) ; U77.AD41 v1(99.39,78.51) ; U75.AR38 v1(106.39,196.29) ; U77.BK38 v1(72.61,81.51) ; U75.AG32 v1(98.39,190.29) ; U41.A13 v1(48.81,37.9) ; U77.D36 v1(119.39,83.51) ; U77.AA34 v1(102.39,85.51) ; U75.T38 v1(86.61,196.29) ; U75.AT2 v1(107.39,159.51) ; C15.2 v1(19.89,262.05) ; U75.AE38 v1(95.61,196.29) ; U75.W47 v1(89.61,205.29) ; U75.AA14 v1(91.61,171.51) ; U77.AA5 v1(102.39,115.29) ; U24.B1 v1(45.69,268.9) ; U75.BF33 v1(117.39,191.29) ; U75.F32 v1(76.61,190.29) ; U75.AG49 v1(98.39,207.29) ; U77.BE17 v1(77.61,103.29) ; U77.F6 v1(117.39,114.29) ; U75.AW47 v1(110.39,205.29) ; U75.BH1 v1(119.39,158.51) ; U77.AN40 v1(89.61,79.51) ; Q2.2 v1(7.35,196.88) ; U42.B1 v1(45.69,30.9) ; P2.25 v1(178.38,248.12) ; U77.T46 v1(107.39,73.51) ; R26.2 v1(15,22.07) ; U75.L12 v1(81.61,169.51) ; C12.2 v1(18.89,123.45) ; U75.BF10 v1(117.39,167.51) ; U77.BK47 v1(72.61,72.51) ; U75.T1 v1(86.61,158.51) ; U77.AH47 v1(94.61,72.51) ; U77.AR24 v1(87.61,96.29) ; U77.AR48 v1(87.61,71.51) ; U77.R4 v1(108.39,116.29) ; U77.BJ7 v1(73.61,113.29) ; U75.BF21 v1(117.39,178.51) ; U75.AV2 v1(109.39,159.51) ; U75.F36 v1(76.61,194.29) ; U75.AJ16 v1(100.39,173.51) ; Q9.2 v1(9.6,110.05) ; U75.AM25 v1(103.39,182.51) ; U75.AH1 v1(99.39,158.51) ; U77.AM23 v1(90.61,97.29) ; U77.BE37 v1(77.61,82.51) ; U75.AG44 v1(98.39,202.29) ; U75.AE26 v1(95.61,184.29) ; U75.AV42 v1(109.39,200.29) ; U75.E21 v1(75.61,178.51) ; U75.AF51 v1(97.39,209.29) ; U77.B19 v1(121.39,101.29) ; U75.J22 v1(79.61,179.51) ; U75.AD2 v1(94.61,159.51) ; U75.AE18 v1(95.61,175.51) ; U75.AV1 v1(109.39,158.51) ; U77.BE15 v1(77.61,105.29) ; U75.BE5 v1(116.39,162.51) ; 164.31,175.26 v1(165.5,175.26) ; U77.AR12 v1(87.61,108.29) ; U43.4 v1(28.87,14.6) ; U75.AA30 v1(91.61,188.29) ; U75.F10 v1(76.61,167.51) ; U77.H20 v1(115.39,100.29) ; U77.AY50 v1(82.61,69.51) ; U75.Y17 v1(90.61,174.51) ; U75.E12 v1(75.61,169.51) ; U77.BB45 v1(80.61,74.51) ; U77.AU28 v1(85.61,91.51) ; U75.BC48 v1(114.39,206.29) ; U75.D1 v1(74.61,158.51) ; U75.AC22 v1(93.61,179.51) ; U75.D20 v1(74.61,177.51) ; U77.AG26 v1(95.61,94.29) ; 136.32,95.3 v1(134.9,95.3) ; U75.AT38 v1(107.39,196.29) ; U77.T2 v1(107.39,118.29) ; U77.K38 v1(113.39,81.51) ; U75.P27 v1(84.61,185.29) ; U75.J49 v1(79.61,207.29) ; U77.AP10 v1(88.61,110.29) ; U77.BB2 v1(80.61,118.29) ; U29.B7 v1(45.69,200.9) ; U77.BF5 v1(76.61,115.29) ; U77.AM15 v1(90.61,105.29) ; U77.AA26 v1(102.39,94.29) ; U75.BJ7 v1(120.39,164.51) ; U77.A18 v1(122.39,102.29) ; U75.BG35 v1(118.39,193.29) ; U75.A13 v1(71.61,170.51) ; U75.AU49 v1(108.39,207.29) ; U75.AE34 v1(95.61,192.29) ; U75.B23 v1(72.61,180.51) ; U75.AP15 v1(105.39,172.51) ; U77.G31 v1(116.39,88.51) ; U77.AN43 v1(89.61,76.51) ; U75.AU47 v1(108.39,205.29) ; U25.A1 v1(48.81,255.9) ; U14.12 v1(17.7,253.97) ; U77.AH39 v1(94.61,80.51) ; U35.B1 v1(45.69,121.9) ; U77.AD11 v1(99.39,109.29) ; U75.Y1 v1(90.61,158.51) ; U77.AB17 v1(101.39,103.29) ; U77.BJ13 v1(73.61,107.29) ; U75.U3 v1(87.61,160.51) ; U77.M1 v1(111.39,119.29) ; U25.B10 v1(45.69,251.4) ; U77.BA36 v1(81.61,83.51) ; R12.1 v1(9.86,155.7) ; U75.B46 v1(72.61,204.29) ; U28.B7 v1(45.69,213.9) ; U75.AU14 v1(108.39,171.51) ; U77.AK15 v1(92.61,105.29) ; U77.BG45 v1(75.61,74.51) ; U75.BH11 v1(119.39,168.51) ; U75.AD46 v1(94.61,204.29) ; U77.BF6 v1(76.61,114.29) ; U77.F31 v1(117.39,88.51) ; U75.B19 v1(72.61,176.51) ; U75.P5 v1(84.61,162.51) ; P3.19 v1(178.38,111.62) ; U77.AC5 v1(100.39,115.29) ; U75.F47 v1(76.61,205.29) ; U77.AP45 v1(88.61,74.51) ; U77.AA47 v1(102.39,72.51) ; U75.W8 v1(89.61,165.51) ; U75.AB27 v1(92.61,185.29) ; U75.AN4 v1(104.39,161.51) ; U75.AT27 v1(107.39,185.29) ; U36.B13 v1(45.69,102.9) ; U77.BH51 v1(74.61,68.51) ; U75.BJ22 v1(120.39,179.51) ; U77.C44 v1(120.39,75.51) ; U75.AW14 v1(110.39,171.51) ; U75.BA38 v1(112.39,196.29) ; U75.BE37 v1(116.39,195.29) ; U77.U30 v1(106.39,89.51) ; U77.R3 v1(108.39,117.29) ; U75.AA5 v1(91.61,162.51) ; J5.13 v1(8.66,178.52) ; U77.BH15 v1(74.61,105.29) ; U75.K19 v1(80.61,176.51) ; U75.P2 v1(84.61,159.51) ; U36.A4 v1(48.81,107.4) ; U77.BG16 v1(75.61,104.29) ; U77.AW49 v1(83.61,70.51) ; U75.BL21 v1(122.39,178.51) ; U77.AD1 v1(99.39,119.29) ; U33.B7 v1(45.69,148.9) ; U75.AK31 v1(101.39,189.29) ; U75.W12 v1(89.61,169.51) ; U75.G21 v1(77.61,178.51) ; U77.AK5 v1(92.61,115.29) ; U77.AC3 v1(100.39,117.29) ; U75.AY51 v1(111.39,209.29) ; U77.AN30 v1(89.61,89.51) ; U75.AV25 v1(109.39,182.51) ; U75.AC38 v1(93.61,196.29) ; U77.AM17 v1(90.61,103.29) ; U77.BH21 v1(74.61,99.29) ; U77.Y1 v1(103.39,119.29) ; U75.BD46 v1(115.39,204.29) ; Q3.2 v1(9.5,208.05) ; C544.2 v1(178.13,159.35) ; U41.A4 v1(48.81,42.4) ; U75.BA9 v1(112.39,166.51) ; U75.T2 v1(86.61,159.51) ; U77.AU3 v1(85.61,117.29) ; U75.N39 v1(83.61,197.29) ; U77.BK46 v1(72.61,73.51) ; U75.AG5 v1(98.39,162.51) ; U77.L12 v1(112.39,108.29) ; U75.BG17 v1(118.39,174.51) ; U77.D7 v1(119.39,113.29) ; U77.E18 v1(118.39,102.29) ; U77.C31 v1(120.39,88.51) ; U77.W20 v1(104.39,100.29) ; U75.H31 v1(78.61,189.29) ; R18.1 v1(13.5,110.77) ; U77.BG21 v1(75.61,99.29) ; 152.65,237.6 v1(152.65,237.59) ; U75.E35 v1(75.61,193.29) ; U75.AM51 v1(103.39,209.29) ; U75.AB5 v1(92.61,162.51) ; U75.W44 v1(89.61,202.29) ; U75.BE19 v1(116.39,176.51) ; 152.65,161.6 v1(152.65,161.59) ; U75.D15 v1(74.61,172.51) ; U75.BB47 v1(113.39,205.29) ; U77.H2 v1(115.39,118.29) ; U75.B38 v1(72.61,196.29) ; U75.W28 v1(89.61,186.29) ; U40.A7 v1(48.81,53.9) ; U75.C2 v1(73.61,159.51) ; U12.12 v1(16.12,38.98) ; U75.AD1 v1(94.61,158.51) ; U75.AG20 v1(98.39,177.51) ; U77.A31 v1(122.39,88.51) ; U77.Y51 v1(103.39,68.51) ; U75.BH6 v1(119.39,163.51) ; U75.D37 v1(74.61,195.29) ; U75.BH5 v1(119.39,162.51)
  TOP w0.254: 142.1,141.99 C496.2 ; C496.2 143,141.24 ; C496.2 143.9,141.99 ; 137.1,179.99 C445.2 ; C445.2 138,179.24 ; C445.2 138.9,179.99 ; C464.2 141.4,139.81 ; C464.2 140.5,140.56 ; C464.2 139.6,139.81 ; C442.2 138.9,253.81 ; C442.2 137.1,253.81 ; C442.2 138,254.56 ; 140.5,255.24 C457.2 ; C457.2 139.6,255.99 ; C457.2 141.4,255.99 ; 156.6,65.99 C529.2 ; C529.2 157.5,65.24 ; C529.2 158.4,65.99 ; C513.2 153.4,63.81 ; C513.2 151.6,63.81 ; C513.2 152.5,64.56 ; C512.2 153.4,65.99 ; C512.2 152.5,65.24 ; C512.2 151.6,65.99 ; 147.1,100.99 C502.2 ; C502.2 148,100.24 ; C502.2 148.9,100.99 ; C522.2 155.9,30.49 ; C522.2 154.1,30.49 ; C522.2 155,29.74 ; C515.2 153.4,28.31 ; C515.2 151.6,28.31 ; C515.2 152.5,29.06 ; C462.2 140.5,178.56 ; C462.2 141.4,177.81 ; C462.2 139.6,177.81 ; 147.1,98.81 C503.2 ; C503.2 148.9,98.81 ; C503.2 148,99.56 ; C444.2 138.9,215.81 ; C444.2 137.1,215.81 ; C444.2 138,216.56 ; C446.2 138,178.56 ; C446.2 138.9,177.81 ; C446.2 137.1,177.81 ; 140.5,179.24 C461.2 ; C461.2 141.4,179.99 ; C461.2 139.6,179.99 ; C497.2 143,140.56 ; C497.2 142.1,139.81 ; C497.2 143.9,139.81 ; 142.1,217.99 C492.2 ; C492.2 143,217.24 ; C492.2 143.9,217.99 ; 137.1,139.81 C448.2 ; C448.2 138,140.56 ; C448.2 138.9,139.81 ; C521.2 155.9,63.81 ; C521.2 154.1,63.81 ; C521.2 155,64.56 ; 140.5,141.24 C463.2 ; C463.2 141.4,141.99 ; C463.2 139.6,141.99 ; C491.2 143,254.56 ; C491.2 143.9,253.81 ; C491.2 142.1,253.81 ; 152.5,29.74 C514.2 ; C514.2 151.6,30.49 ; C514.2 153.4,30.49 ; C532.2 157.5,29.06 ; C532.2 156.6,28.31 ; C532.2 158.4,28.31 ; C443.2 138.9,217.99 ; C443.2 137.1,217.99 ; C443.2 138,217.24 ; 156.6,30.49 C531.2 ; C531.2 157.5,29.74 ; C531.2 158.4,30.49 ; 143,179.24 C494.2 ; C494.2 143.9,179.99 ; C494.2 142.1,179.99 ; C507.2 151.4,98.81 ; C507.2 149.6,98.81 ; C507.2 150.5,99.56 ; 142.1,177.81 C495.2 ; C495.2 143,178.56 ; C495.2 143.9,177.81 ; 139.6,215.81 C460.2 ; C460.2 140.5,216.56 ; C460.2 141.4,215.81 ; C441.2 138.9,255.99 ; C441.2 137.1,255.99 ; C441.2 138,255.24 ; C523.2 155.9,28.31 ; C523.2 154.1,28.31 ; C523.2 155,29.06 ; C447.2 138.9,141.99 ; C447.2 137.1,141.99 ; C447.2 138,141.24 ; C493.2 143.9,215.81 ; C493.2 142.1,215.81 ; C493.2 143,216.56 ; 155,65.24 C520.2 ; C520.2 154.1,65.99 ; C520.2 155.9,65.99 ; 156.6,63.81 C530.2 ; C530.2 158.4,63.81 ; C530.2 157.5,64.56 ; 145.5,100.24 C498.2 ; C498.2 144.6,100.99 ; C498.2 146.4,100.99 ; C458.2 140.5,254.56 ; C458.2 141.4,253.81 ; C458.2 139.6,253.81 ; C499.2 146.4,98.81 ; C499.2 144.6,98.81 ; C499.2 145.5,99.56 ; 139.6,217.99 C459.2 ; C459.2 141.4,217.99 ; C459.2 140.5,217.24 ; 143,255.24 C490.2 ; C490.2 143.9,255.99 ; C490.2 142.1,255.99 ; C506.2 151.4,100.99 ; C506.2 150.5,100.24 ; C506.2 149.6,100.99